# Allegro board Try it by yourself - YOUTUBE - iMX6Rex module - Memory simulation.brd (continued)
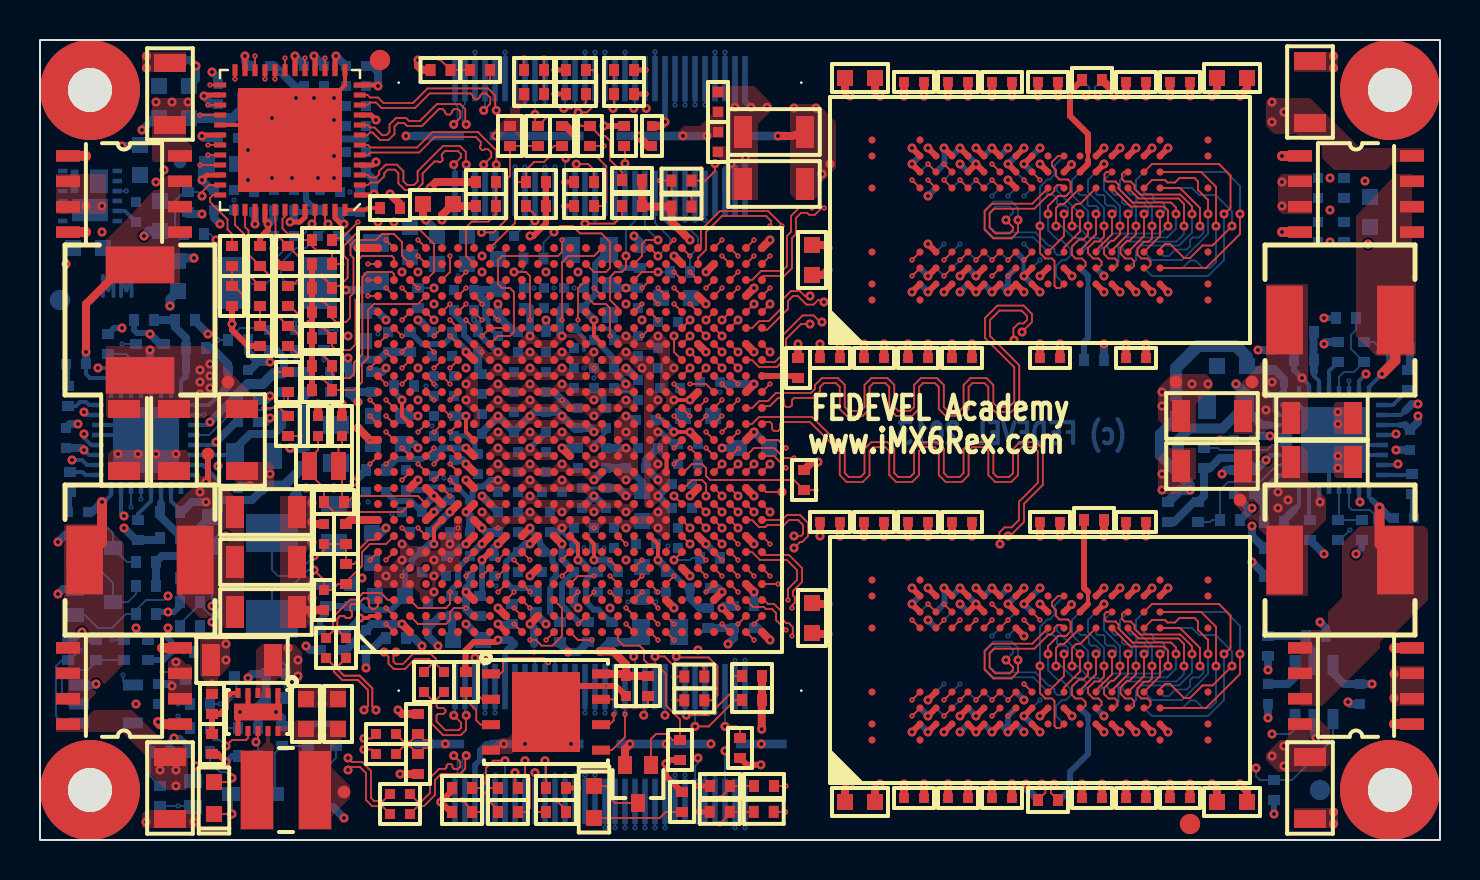
[diagram p0: board, top side]
## Routing (per net, layer and track width the routed paths; a pad name or vN(x,y) marks a point on that pad's centre or on a via; arc(x,y) is an arc through that point) (continued)
+3V3_ETH_AVDDH: length 9.1
  TOP w0.2: 19.15,31.7 19.05,31.8
  TOP w0.25: U8.47 14.75,31.1 15.05,30.8 v1(15.2,30.8) ; v1(16.7,32.3) 16.65,32.25 U8.1 ; 16.9,37.75 16.95,37.75 ; 16.9,37.75 v1(16.9,37.7) ; 16.9,37.75 U8.12
  TOP w0.4: FB7.2 19.15,31.15 v1(19.3,31)
  BOTTOM w0.4: v1(19.3,31) 19.85,30.45 C199.1 ; C190.1 C202.1 15,31 v1(15.2,30.8) ; v1(16.7,32.3) 16.7,33 C200.1 ; C201.1 16.6,38.7 16.9,38.4 v1(16.9,37.7)
+5V_LDO1: length 13.8
  BOTTOM w0.2: U11.7 8.15,18.75 8.9,18 C205.1
  BOTTOM w0.4: 8.9,17.08 8.97,17 10.6,17 11.1,17.5 ; C204.1 7.6,15.25 7.6,14.5 7.3,14.2 6.1,14.2 R132.2 R131.2
  BOTTOM w0.5: R116.2 12.22,17.73 11.32,17.73 11.1,17.5 ; C204.1 8.9,16.55 C205.1
+5V_LDO2: length 10.6
  BOTTOM w0.2: 62.02,22.3 61.72,22 61.72,21.48 61.95,21.25 U13.7
  BOTTOM w0.3: 62.02,22.3 62.2,22.48 62.2,22.7
  BOTTOM w0.4: 62.2,22.7 62.2,23.04 61.74,23.5 C224.1 60.55,23.5 C223.1
  BOTTOM w0.6: R140.2 56.8,23.6 57.9,24.7 59.8,24.7 60.35,24.15 C223.1
+5V_PVCC1: length 16.1
  L3 w0.5: v1(12.5,19.6) 10.47,19.6 10.2,19.33 8.4,19.33 7.85,19.87 3.56,19.87 3.19,19.5 v1(2.2,19.5)
  BOTTOM w0.2: v1(2.2,19.5) 2.45,19.25 U11.19
  BOTTOM w0.4: v1(2.2,19.5) 2.1,19.6 C206.1
  BOTTOM w0.5: v1(12.5,19.6) 13.1,19.6 R116.1 13.1,19.8 R117.2 13.1,22.1 R118.1
+5V_PVCC2: length 23.1
  L3 w0.5: v1(57.5,17.5) 59.7,17.5 60.4,18.2 60.4,19 61,19.6 64.16,19.6 64.54,19.98 65.87,19.98 67.1,21.2 v1(68.9,21.2)
  BOTTOM w0.2: U13.19 68,20.75 ; 56.85,21.05 56.9,21.1 R140.1
  BOTTOM w0.3: 68,20.75 68.25,20.75
  BOTTOM w0.4: 68.25,20.75 C225.1 68.9,20.9 v1(68.9,21.2)
  BOTTOM w0.5: R142.1 57,17.5 v1(57.5,17.5) 57.5,17.71 ; R141.2 57.5,17.71 ; 57.5,17.71 56,19.21 56,20.3 56.8,21.1 R140.1
+5V_USB_VBUS: length 7.4
  TOP w0.4: U1.E9 v1(19.7,17.2) U1.D10 ; v1(31.25,35.91) 31.04,35.7 C242.1
  BOTTOM w0.2: 31.25,35.81 v1(31.25,35.91)
  BOTTOM w0.28: v1(31.25,35.91) J1.18
  BOTTOM w0.3: C79.1 18.55,16.95 17.75,16.95 C82.1
  BOTTOM w0.4: v1(19.7,17.2) 19.1,16.6 C79.1
+5V_VCC1: length 16.5
  L3 w0.5: v1(8.5,20.9) 8,21.4 3.8,21.4 2.7,20.3 v1(2.2,20.3)
  BOTTOM w0.2: v1(8.5,20.9) 8.35,20.75 U11.3 ; U11.20 2.55,19.75 2.2,20.1 v1(2.2,20.3)
  BOTTOM w0.4: C207.1 9.6,22 v1(8.5,20.9) ; R127.2 12.2,24.1 11.8,24.5 R128.2
  BOTTOM w0.5: C207.1 9.9,22.3 10.4,22.8 11.14,22.8 11.67,23.33 12.12,23.33 R127.2 R118.2
+5V_VCC2: length 17.3
  L3 w0.5: v1(67.8,20.3) 67.79,20.31 65.49,18 62.3,18 v1(61.3,19)
  BOTTOM w0.2: U13.20 67.75,20.25 v1(67.8,20.3) ; U13.3 61.55,19.25 61.5,19.2
  BOTTOM w0.3: 61.5,19.2 v1(61.3,19)
  BOTTOM w0.4: v1(61.3,19) 60.8,18.5 C226.1 60.7,18.6 60.2,19.1 59,19.1 58.5,18.6 R151.2 58.2,17.2 R152.2 57.7,16.9 56.7,15.9 R142.2
+VDD_SNVS_CAP: length 1.6
  TOP w0.4: v1(21.3,16.4) U1.G9
  BOTTOM w0.4: C143.1 21.5,16.2 v1(21.3,16.4)
+VDDPU: length 4.5
  BOTTOM w0.25: C131.1 22.4,25.7 22.4,26 22.3,26.1 22.3,26.3
  BOTTOM w0.3: 22.85,27.5 22.95,27.5 23,27.55 ; C131.1 22.8,25.2 22.9,25.1 ; 22.15,27.05 22.2,27
  BOTTOM w0.4: 22.3,26.3 22.3,26.9 C132.1 22.85,27.5 C135.1
  vias: v1(22.9,23.6) v1(24.5,23.6) v1(26.1,23.6)
+VDDUSB: length 2.8
  TOP w0.4: v1(20.5,16.4) U1.F9
  BOTTOM w0.4: v1(17.3,15.6) 17.05,15.35 C80.1 ; C81.1 v1(20.5,16.4)
+VIN: length 22.2
  BOTTOM w0.2: U11.6 9.7,19.25 C208.1 ; U13.6 61.65,20.75 ; 56.9,19.7 56.8,19.6
  BOTTOM w0.28: J1.4 v1(34.75,36.63) ; J1.1 35.25,34.13 v1(35.27,34.16) ; J1.5 34.25,33.52 v1(34.55,33.82) 34.75,33.62 J1.3 ; J1.2 35.25,36.93 v1(35.55,36.63)
  BOTTOM w0.3: 61.65,20.75 61.45,20.75
  BOTTOM w0.4: C227.1 60.25,21.6 61.1,20.75 61.45,20.75 ; C208.1 9.75,19.55 10.5,20.3 11.7,20.3 12.1,20.7 R117.1
  BOTTOM w0.5: v1(59.8,22.8) 60.25,22.35 C227.1 60.2,21.65 59.12,20.58 57.47,20.58 56.9,20 R141.1
  vias: v1(5.8,36.9) v1(6,3.5) v1(6.6,36.9) v1(6.8,3.5) v1(6.8,2.7) v1(7.4,36.9) v1(8.9,18.7) v1(12.4,9.6) v1(12.9,9) v1(12.9,8.2) v1(36.35,36.63) v1(61.6,36.9) v1(61.6,35.9) v1(61.6,4.2) v1(62.2,36.4) v1(62.2,4.7) v1(62.2,3.7)
GND: length 261.3
  TOP w0.2: v1(14.7,37.1) 14.65,37.15 ; 14.65,37.15 15.25,37.75 U8.13 ; 14.65,37.15 U8.49 10.2,35.75 U8.29 ; v1(31.7,22) v1(32.5,22) ; U1.W12 31.32,19.18 31.32,18.43 U1.W11 ; v1(32.5,20.4) v1(31.7,20.4)
  TOP w0.25: U12.4 10.4,6.4 ; 10.4,6.4 10.4,6.2 ; 10.4,6.4 U12.11 v1(11.8,6.4) 11.9,6.4 U12.1 ; v1(10,6.4) 9.9,6.3 U12.6 9.9,5.35
  TOP w0.3: U4.D8 v1(46.8,33.8) U4.E8 ; U2.T9 v1(56.4,12.6) ; U4.M1 v1(53.2,27.4) ; v1(44.4,12.6) U2.B9 ; v1(46.8,6.2) U2.E2 ; U2.D8 v1(46.8,11.8) U2.E8 ; v1(47.6,12.6) U2.F9 ; U4.P1 v1(54.8,27.4) ; v1(49.2,34.6) U4.G9 ; v1(47.6,34.6) U4.F9 ; U4.T9 v1(56.4,34.6) ; v1(50,28.2) U4.J2 ; v1(50,6.2) U2.J2 ; U2.T1 v1(56.4,5.4) ; v1(43.6,12.6) U2.A9 ; v1(49.2,27.4) U4.G1 v1(48.4,27.4) ; C203.2 v2(28.8,7.7) v2(28.3,7.7) 26.6,7.7 U10.9 ; U4.T1 v1(56.4,27.4) ; U2.M1 v1(53.2,5.4) ; U2.D1 v1(46.8,5.4) U2.E1 ; v1(50,11.8) U2.J8 ; U2.M9 v1(53.2,12.6) ; v1(44.4,7) U2.B3 ; v1(48.4,5.4) U2.G1 ; U4.P9 v1(54.8,34.6) ; v1(46.8,28.2) U4.E2 ; v1(44.4,5.4) U2.B1 ; v1(48.4,11.8) U2.G8 ; v1(49.2,12.6) U2.G9 ; U4.D1 v1(46.8,27.4) U4.E1 ; v1(50,33.8) U4.J8 ; v1(43.6,34.6) U4.A9 ; U4.M9 v1(53.2,34.6) ; v1(48.4,33.8) U4.G8 ; v1(44.4,29.8) U4.B3 ; U2.P9 v1(54.8,12.6) ; U2.P1 v1(54.8,5.4) ; v1(44.4,27.4) U4.B1 ; v1(44.4,34.6) U4.B9
  TOP w0.4: U1.D8 v1(19.7,16.4) ; v1(45.4,37.2) C37.2 ; v1(33.3,28.4) U1.AB24 ; v1(17.9,6.5) 18.1,6.3 R16.1 ; v1(41.2,15.2) C24.2 ; U1.C10 v1(18.9,18) ; v1(15.9,29.6) U1.A25 ; v1(13.6,11.3) 13.6,11.5 ; 13.6,11.5 C84.2 ; 13.6,11.5 13.2,11.5 C215.2 ; v1(21.3,12.4) U1.G3 ; U1.A8 v1(15.9,16) 15.5,16 R37.2 ; U1.AA7 v1(33.3,14.8) ; v1(47.6,37.2) C34.2 ; U1.A13 v2(16.5,20) v1(15.9,20.6) ; v1(43.2,37.2) C36.2 ; v1(32.5,17.2) U1.AA10 ; v1(57.5,37.2) C35.2 ; C15.2 40.25,37.45 v1(40.5,37.2) ; v1(39,15.2) C26.2 ; v1(11.7,29.6) 11.7,29 12,28.7 R99.1 ; C4.2 v1(52.1,2.8) ; U1.AD19 v1(35.7,24.4) ; v1(53.2,15.2) R4.1 ; v1(32.5,22) U1.AA16 ; U1.AD4 v1(35.7,12.4) ; v1(29.9,35.2) 30.4,34.7 C242.2 ; U1.AD16 v1(35.7,22.8) ; U1.AA22 v1(33.3,26.8) ; C9.2 v1(50,24.8) ; v1(18,3.3) R17.1 ; U1.AD10 v1(35.7,17.2) ; U1.AA13 v1(32.5,20.4) ; v1(60,37.2) 60.35,37.55 C16.2 ; U1.AE25 v1(36.5,30) ; U1.AD13 v1(35.7,20.4) ; v1(39.4,29.6) 39.25,29.75 C17.2 ; v1(13.6,15.9) 13.7,15.8 C83.2 ; v1(24.5,13.2) U1.L5 ; v1(22.9,11.6) U1.J2 ; v1(17.5,32.3) 18,31.8 R84.2 ; R143.1 v2(21.3,32.9) 19.8,32.9 v1(19.5,32.6) ; v1(31.7,29.2) U1.Y24 ; C85.2 v1(15.1,21.8) ; U1.Y5 v1(32.5,13.2) ; C39.2 v1(39,24.8) ; R8.1 53.7,37.4 v1(53.7,37.2) ; v1(55.3,15.2) C22.2 ; C30.2 v1(55.3,2.8) ; C14.2 40.25,2.55 v1(40.5,2.8) ; C13.2 60.35,2.45 v1(60,2.8) ; C21.2 v1(57.5,2.8) ; C32.2 v1(55.3,24.8) ; v1(21.3,18) U1.G10 ; U1.AE1 v1(36.5,10) ; C33.2 v1(45.6,24.8) ; R144.1 26.3,35.7 v1(26.8,35.2) ; U1.AD22 v1(35.7,27.6) ; C28.2 v1(45.4,2.8) ; C27.2 v1(44.2,2.8) ; U1.W3 v1(31.7,11.6) ; v1(50,15.2) C3.2 ; U1.AA19 v1(33.3,24.4) ; U1.AB3 v1(34.1,12.4) ; C2.2 37.6,35.2 v1(36.9,35.2) ; v1(49.9,37.2) C8.2 ; C40.2 v1(41.2,24.8) ; v1(45.6,15.2) C23.2 ; C29.2 v1(47.6,2.8) ; v1(29.5,4.8) 29.25,4.55 Q2.2 ; v1(18.1,10.8) U1.C1 ; v1(43.4,15.2) C25.2 ; C86.2 v1(13.9,21.8) ; v1(24.5,10.8) U1.L2 ; R6.1 38.6,18.9 v1(38.9,18.9) ; v1(39.4,10.3) 38.65,10.3 C12.2 ; C31.2 v1(43.4,24.8) ; v1(55.3,37.2) C38.2 ; R10.2 v1(37.9,24.8) ; U1.AD7 v1(35.7,14.8)
  BOTTOM w0.2: U13.8 62.95,21.75 U13.33 ; 5.05,20.25 4.55,20.75 U11.22 ; 5.05,20.25 U11.21 ; 5.05,20.25 U11.33 ; U13.33 64.45,19.75 U13.29 ; U13.33 64.95,19.75 ; U11.29 5.55,20.25 U11.33 ; U11.8 7.05,18.25 U11.33 ; U13.22 65.45,19.25 64.95,19.75 ; 64.95,19.75 U13.21 ; v1(26.1,15.6) 26.1,15.4 26.7,14.8 C107.2
  BOTTOM w0.22: C119.2 28.7,25.3 28.43,25.57 v6(27.2,25.57) 26.73,25.57 ; U9.2 2.45,31.45 U9.13 ; 27.2,24.5 27.2,25.1 26.73,25.57 ; C130.2 26.73,25.57
  BOTTOM w0.28: J2.55 v6(21.75,3.24) 21.75,3.75 21.99,3.99 21.99,4.49 22.3,4.8 J2.63 ; J2.56 v1(21.75,9.11)
  BOTTOM w0.3: U2.T9 v1(56.4,12.6) ; v1(48.4,11.8) U2.G9 ; C113.2 27.77,22.6 28.17,22.2 28.17,21.73 C97.2 ; v1(44.4,11) U3.B3 ; U5.F9 v1(48.4,27.4) 48.4,28.2 U5.G8 ; U5.A9 v1(44.4,27.4) U4.B1 ; U3.F9 v1(48.4,5.4) 48.4,6.2 U3.G8 ; U2.M1 v1(53.2,5.4) ; v1(50,11.8) U2.J8 ; U2.T1 v1(56.4,5.4) ; U3.D8 v1(46.8,6.2) U2.E2 ; U5.D8 v1(46.8,28.2) U4.E2 ; U3.E1 v1(47.6,12.6) ; v1(46.8,11.8) U2.E8 U3.D1 ; U2.P1 v1(54.8,5.4) ; v1(31.7,20.4) 31.1,21 C117.2 ; v1(50,33.8) U4.J8 ; v1(24.5,19.6) C94.2 ; U4.M9 v1(53.2,34.6) ; U4.E8 v1(46.8,33.8) U5.D1 ; U2.B1 v1(44.4,5.4) U3.A9 ; U4.M1 v1(53.2,27.4) ; v1(5.5,25.3) 5.45,25.35 4.85,25.35 4.7,25.5 R136.1 ; v1(48.4,33.8) U4.G9 ; U2.M9 v1(53.2,12.6) ; v1(22.9,24.4) 22.85,24.4 21.9,25.35 C122.2 21.9,25.8 v6(21.7,26) C125.2 ; U4.P1 v1(54.8,27.4) ; v1(50,28.2) U4.J2 ; U2.G1 v1(49.2,5.4) ; U5.E1 v1(47.6,34.6) ; v1(50,6.2) U2.J2 ; U4.T9 v1(56.4,34.6) ; U2.P9 v1(54.8,12.6) ; v1(49.2,27.4) U4.G1 ; v1(44.4,12.6) U2.B9 ; v1(44.4,32.2) U5.B3 ; v1(44.4,34.6) U4.B9 ; U4.P9 v1(54.8,34.6) ; U4.T1 v1(56.4,27.4)
  BOTTOM w0.35: v1(33.3,14.8) R7.1
  BOTTOM w0.4: C133.2 v1(25.3,26) ; v1(11.7,29.6) C176.2 ; C238.2 60.4,16.6 v1(60.6,16.6) R155.1 ; v1(45.4,37.2) C37.2 ; 62.5,25.4 C224.2 v1(60.9,24.5) ; 62.5,25.4 R150.1 ; 62.5,25.4 v6(62.2,25.1) ; C116.2 v1(27.7,17.2) C115.2 ; C4.2 v1(52.1,2.8) ; v1(24.5,10.8) 24.7,10.6 24.7,9.8 ; C245.2 35.9,10.6 v1(36.5,10) ; C226.2 59.3,18.5 v1(59.1,18.3) ; C249.2 11.73,38.7 ; 11.73,38.7 v6(12,38.4) ; 11.73,38.7 12.8,37.63 ; v1(8.6,38.4) 8.9,38.1 C184.2 ; 10.9,23.9 10.4,24.4 ; 10.9,23.9 v1(11.5,23.9) ; 10.9,23.9 10.5,23.5 C219.2 ; 10.4,24.4 v6(10.5,24.3) ; 10.4,24.4 R133.1 ; v1(45.6,15.2) C23.2 ; C243.2 33.9,12.6 v1(34.1,12.4) ; v1(8.1,31.3) 7.4,31.3 R101.1 ; R58.1 12.1,6.1 v1(11.8,6.4) ; C206.2 1.5,20.8 v1(1.9,20.8) ; C7.2 v1(35.7,12.4) ; C33.2 v1(45.6,24.8) ; Q8.2 1.15,12.55 v1(0.9,12.3) ; C39.2 v1(39,24.8) ; C178.2 4.95,34.7 v1(4.1,34.7) ; v1(18.1,10.8) 16.6,10.8 C244.2 v6(15.8,10) 15.3,9.5 R15.1 ; R149.1 64.3,24.9 v1(64.2,24.8) ; v1(13.6,12.8) 13.7,12.7 R79.1 ; C207.2 11.3,22 v1(11.5,22.2) ; v1(9.3,15.2) 9.05,15.2 C204.2 ; C9.2 v1(50,24.8) ; 12.8,37.63 v1(12.8,37.1) ; 12.8,37.63 C248.2 ; C172.2 36.45,19.65 v1(35.7,20.4) ; U7.3 2.75,7.75 v1(2.8,7.8) ; C27.2 v1(44.2,2.8) ; v1(10.5,17.71) 10.01,17.71 C205.2 ; R9.1 v1(53.2,24.8) ; C95.2 U1.N15 v6(26.1,22) 25.7,22.4 C124.2 ; v1(11.6,36.1) 12.3,35.4 C186.2 12.45,35.4 ; R124.2 6,24.8 v1(5.5,25.3) ; C152.2 19.56,25.4 18.96,26 v1(18.9,26) ; C218.2 11.3,20.9 v1(11.5,21.1) ; C175.2 15.3,30.2 v1(15.9,29.6) 16.15,29.85 C148.2 ; v1(67.8,19.5) C225.2 ; U6.2 63.7,5.2 v1(63.8,5.1) ; v1(26.1,15.6) 25.9,15.4 C90.2 ; v1(7.8,3.7) 7.8,3 7.75,2.95 Q1.2 ; C31.2 v1(43.4,24.8) ; C105.2 v1(29.3,19.6) ; v1(29.3,23.6) C114.2 ; v1(47.6,37.2) C34.2 ; v1(39,15.2) C26.2 ; C76.2 26.7,11.8 v1(26.9,11.6) ; v1(19.7,16.4) 19.74,16.4 20.34,17 C139.1 ; Q9.2 v6(14.3,1.65) 14.65,1.65 v1(15.2,1.1) ; R148.2 v1(64.2,14.3) ; v1(6.6,7.7) 6.5,7.8 C89.2 ; C29.2 v1(47.6,2.8) ; C32.2 v1(55.3,24.8) ; C171.2 34.1,22.8 v1(35.7,22.8) ; v1(57.5,37.2) C35.2 ; v1(61.4,6.1) C88.2 ; v1(30.9,18) C102.2 30.3,19 v6(30.4,19.1) C112.2 ; v1(50,15.2) C3.2 ; v1(60.6,13.9) 61.2,13.3 R158.1 ; R67.1 64.3,10.6 v1(64,10.9) ; v1(41.2,15.2) C24.2 ; v1(49.9,37.2) C8.2 ; v1(20.5,14.8) C143.2 ; C87.2 65.5,6.8 v1(65.4,6.9) ; v1(22.9,26.8) C131.2 v6(23.4,25.7) 23.7,25.4 C134.2 ; C61.2 21.5,12.77 21.3,12.57 v1(21.3,12.4) v6(21.3,11.54) 21.64,11.2 R61.1 ; C40.2 v1(41.2,24.8) ; v1(49.3,2.8) 49.3,2.6 R5.1 ; v1(59,20) C237.2 ; C21.2 v1(57.5,2.8) ; v1(55.3,37.2) C38.2 ; v1(4.2,15.6) 4.8,15 R125.1 5.9,15 R126.1 ; v1(43.2,37.2) C36.2 ; v1(0.9,14.9) 1.25,15.25 Q5.2 ; C30.2 v1(55.3,2.8) ; C129.2 28.65,27.6 v1(29.3,27.6) C160.2 ; v1(55.3,15.2) C22.2 ; v1(18.3,35.2) J1.64 ; v1(43.4,15.2) C25.2 ; C28.2 v1(45.4,2.8)
  vias: v1(2.3,31.7) v1(3.1,31.7) v1(3.1,30.4) v1(3.9,19.3) v1(4.9,19.3) v1(5.32,39.2) v1(5.32,38.6) v1(5.3,0.9) v1(5.8,19.3) v1(6.8,19.3) v1(6.8,8.9) v1(7.7,0.9) v1(9.3,9.8) v1(9.3,9) v1(10.4,34.5) v1(10.4,33) v1(11.5,18.3) v1(11.6,33.1) v1(12.6,33.1) v1(13.6,16.85) v1(13.6,14.9) v1(13.6,12.1) v1(13.7,37.1) v1(13.9,33.1) v1(14.1,7.4) v1(14.1,6.8) v1(14.7,36) v1(14.7,34.2) v1(14.7,33.1) v1(15.4,25.2) v1(17.3,13.2) v1(18.1,14.8) v1(18.1,14) v1(18.9,23.6) v1(18.9,22) v1(19.7,26.8) v1(19.7,14) v1(19.7,13.2) v1(19.7,12.4) v1(20.26,4.81) v1(21.3,23.6) v1(22.1,29.2) v1(22.1,28.4) v1(22.1,16.4) v1(22.8,35.2) v1(22.9,22) v1(22.9,19.6) v1(23.19,4.81) v1(24.2,35.2) v1(24.25,4.81) v1(24.5,24.4) v1(24.5,22) v1(24.5,18) v1(24.5,16.4) v1(25.3,28.4) v1(26.1,24.4) v1(26.1,18) v1(26.55,4.81) v1(26.9,28.4) v1(27.7,24.4) v1(27.7,21.2) v1(27.7,18.8) v1(28.5,11.6) v1(29.3,25.2) v1(29.3,22) v1(29.3,18) v1(29.3,15.6) v1(29.3,14) v1(30.9,25.2) v1(30.9,16.4) v1(30.9,15.6) v1(31.3,4.8) v1(31.7,23.6) v1(32.15,35.21) v1(32.9,9.5) v1(33.35,35.21) v1(33.55,4.81) v1(36.06,4.8) v1(37.7,36.6) v1(38.8,36.6) v1(39.1,33.3) v1(39.5,33.8) v1(56.1,22.4) v1(56.1,21.7) v1(56.1,18.3) v1(56.1,17.5) v1(57.6,22.8) v1(58.4,22.8) v1(62.1,32.9) v1(62.1,31.7) v1(64.5,29.9) v1(64.67,39.2) v1(64.67,38.6) v1(64.67,1.4) v1(64.67,0.8) v1(64.9,21.4) v1(64.9,20.8) v1(64.9,19.2) v1(64.9,18.6) v1(66.4,29.8) v1(67.7,8.3) v1(67.7,7.1) v2(8.6,7.9) v2(18.1,13.2) v2(20.5,14) v2(20.9,15.6) v2(22.1,24.4) v2(22.9,15.6) v2(23.9,36.7) v2(27.7,23.6) v2(27.7,15.6) v2(31,19.6) v6(8.4,10.1) v6(9.7,32) v6(14.5,22.9) v6(15.5,32.4) v6(15.8,37.7) v6(16.4,16.9) v6(16.9,25.3) v6(17.6,16.3) v6(19.3,22.7) v6(19.6,20.7) v6(19.8,22.7) v6(20.2,18.1) v6(20.9,28.2) v6(22.7,29.7) v6(22.8,12.7) v6(24.7,27.6) v6(25.7,27.6) v6(26.7,27.6) v6(27.2,23.6) v6(27.2,14.6) v6(27.7,23.1) v6(28.2,14.6) v6(29.4,12.4) v6(29.4,11.9) v6(30.8,12.4) v6(30.8,11.9) v6(31.4,14.7) v6(32.1,26.4) v6(32.8,18.3) v6(32.9,19.3) v6(34,22.4)
+DDR_VREF: length 169
  TOP w0.3: v1(34.1,11.6) U1.AC2 ; U2.M8 v1(53.2,11.8) ; U4.M8 v1(53.2,33.8) ; U4.H1 v1(50,27.4) ; U2.H1 v1(50,5.4)
  TOP w0.4: C4.1 v1(53.1,2.8) ; v1(50.9,37.2) C8.1 ; C9.1 v1(51,24.8) ; v1(51,15.2) C3.1
  L5 (PWR) w0.5: 40.6,16.1 40.6,14.5
  L5 (PWR) w0.6: 53.4,3.1 v1(53.1,2.8)
  L5 (PWR) w0.8: 50.2,36.05 50.2,35.8 51.05,34.95 51.82,34.95 52.97,33.8 v1(53.2,33.8) ; 50.2,36.05 50.62,36.48 50.62,36.92 v1(50.9,37.2) 51.8,36.3 56.7,36.3 60.7,32.3 61.6,32.3 ; 50.2,36.05 50,35.85 v1(50,34.6) ; 61.6,31 61.3,31 55.82,25.53 52.72,25.53 52.1,24.9 51.1,24.9 v1(51,24.8) 51,24.95 50.6,25.35 50.6,26.2 ; 52.47,4.23 51.3,5.4 v1(50,5.4) ; 52.47,4.23 52.47,5.7 52.97,6.2 v1(53.2,6.2) ; 52.47,4.23 52.47,3.63 53.1,3 v1(53.1,2.8) ; 65.22,29.8 65.22,28.38 63.47,26.63 63.47,24.5 65.7,22.27 65.7,17.9 64.92,17.13 64.92,13.33 62.3,10.7 62.3,8.3 58.1,4.1 54.4,4.1 53.4,3.1 ; 63.3,30.8 62.82,30.33 62.82,29.83 56.2,23.2 44,23.2 40.6,19.8 40.6,16.1 ; v1(50,12.6) 51,13.6 51,13.77 ; 50.6,26.2 50.6,26.8 v1(50,27.4) ; 50.6,26.2 50.63,26.2 52.63,28.2 v1(53.2,28.2) ; v1(53.2,11.8) 52.97,11.8 51,13.77 ; 63.6,29.9 63.6,28.6 62.32,27.33 62.32,21.3 63.2,20.43 63.2,16 62,14.8 58.9,14.8 57.5,16.2 52,16.2 v1(51,15.2) 51,13.77 ; v1(34.1,11.6) 38,11.6 40.6,14.2 40.6,14.5
  BOTTOM w0.3: U5.M8 v1(53.2,28.2) ; U3.H1 v1(50,12.6) ; U5.H1 v1(50,34.6) ; U3.M8 v1(53.2,6.2)
  BOTTOM w0.4: C4.1 v1(53.1,2.8) ; C7.1 34.2,11.7 v1(34.1,11.6) ; v1(50.9,37.2) C8.1 ; C9.1 v1(51,24.8) ; v1(51,15.2) C3.1
  vias: v1(64.5,31.5)
+HDMI_VP: length 4.8
  TOP w0.4: v1(24.5,14.8) U1.L7
  BOTTOM w0.3: R23.2 24.6,12.6 23.6,12.6 23.3,12.9 23.3,13.9 23.8,14.4 C75.1
  BOTTOM w0.4: v1(24.5,14.8) 24.3,14.8 C75.1
+HDMI_VPH: length 5.8
  TOP w0.4: U1.M7 v1(26.1,14.8)
  BOTTOM w0.3: C76.1 26.1,12.8 26.1,11.73 26.93,10.9 R27.2
  BOTTOM w0.35: v1(26.1,14.8) 26.1,14.03 26.7,13.43 C76.1
+LVDS_2V5: length 5.3
  TOP w0.2: v1(30.9,14) 30.9,14.8 U1.V7
  BOTTOM w0.3: 31.4,13.4 31.56,13.4 32.36,12.6 C243.1
  BOTTOM w0.4: R34.2 33,11.6 32.5,12.1 C243.1 ; v1(30.9,14) 31.4,13.5 31.4,13.4 C77.1
+NVCC_CSI: length 6
  TOP w0.2: U1.N7 26.9,14.8 v1(26.9,14)
  BOTTOM w0.3: 27.7,13.4 27.3,13 27.3,11.9 27.69,11.51 27.91,11.51 28.53,10.9 R76.1
  BOTTOM w0.35: C145.1 27.59,13.4 26.99,14 v1(26.9,14)
+NVCC_ENET: length 8.2
  TOP w0.2: 27.7,26.1 v1(27.7,26) 27.7,25.2 U1.R19
  BOTTOM w0.3: 27.2,26.5 27.1,26.6 27.75,27.25 27.75,28.8 28.35,29.4 C156.1 28.45,29.23 29.08,28.6 29.88,28.6 ; 29.88,28.6 29.98,28.7 30.1,28.7 ; 29.88,28.6 R74.1
  BOTTOM w0.4: C155.1 27.2,26.5 v1(27.7,26)
+NVCC_MIPI: length 6.4
  TOP w0.4: U1.K7 v1(24.5,15.6)
  BOTTOM w0.3: R78.1 25.5,11.4 25.5,12.58 25.62,12.7 25.62,13 25.8,13.17 25.8,13.73 25.62,13.9 25.62,14.17 25.1,14.7 ; v1(24.5,15.6) 24.5,15.47 25,14.97 25,14.8 25.1,14.7 ; C149.1 25.1,14.7
+NVCC_RGMII: length 4.4
  TOP w0.4: v1(21.3,24.4) U1.G18
  BOTTOM w0.3: C152.1 20.6,25.2 ; 20.6,25.2 20.2,24.8 19.1,24.8 R80.1 ; 20.6,25.2 21.3,24.5 v1(21.3,24.4)
+PCIE_VP: length 3.8
  TOP w0.4: v1(22.1,14.8) U1.H7
  BOTTOM w0.3: C61.1 20.9,13.6 20.9,12.84 20.6,12.54 R13.2
  BOTTOM w0.4: v1(22.1,14.8) C61.1
+PCIE_VPH: length 2.8
  TOP w0.4: v1(21.3,14.8) U1.G7
  BOTTOM w0.3: v1(21.3,14.8) 21.17,14.8 20.57,14.2 C64.1
  BOTTOM w0.4: v1(19.1,9.7) 18.7,10.1 R14.2
+PCIE_VPTX: length 2.6
  TOP w0.4: U1.G8 v1(22.1,15.6)
  BOTTOM w0.4: FB1.2 22.1,10 v1(21.3,10.8) ; C62.1 22.3,15.4 v1(22.1,15.6)
+SATA_VP: length 2.7
  TOP w0.2: U1.G13 21.3,20.4 v1(21.3,21.2)
  BOTTOM w0.4: C68.1 v1(21.3,21.2) ; v1(17.3,23.6) 17.1,23.4 R18.2
+SATA_VPH: length 5
  TOP w0.4: v1(21.3,19.6) U1.G12
  BOTTOM w0.3: C73.1 19.25,19.2 19.1,19.05 17.85,19.05 R19.2
  BOTTOM w0.35: v1(21.3,19.6) 20.1,19.6 C73.1
+VREF1_2V_1V5: length 3.6
  BOTTOM w0.2: U13.1 61.95,18.25 61.68,17.98 ; 61,17.3 61,17
  BOTTOM w0.3: 61.68,17.98 61.4,17.7
  BOTTOM w0.4: R135.2 61.2,16.8 61,17 C238.1 ; 61.4,17.7 61,17.3
+VREF1_2V_1V375: length 4.6
  BOTTOM w0.2: U11.1 8.45,21.75 9.1,22.4
  BOTTOM w0.3: 9.22,22.52 9.1,22.4
  BOTTOM w0.4: 9.22,22.52 9.4,22.7 C219.1 9.4,23.8 8.6,24.6 R120.1
+VREF1_3V3_1V5: length 9.5
  L5 (PWR) w0.6: v1(60.6,15.7) 59.9,16.4 59.9,18.6 v1(61.5,20.2)
  BOTTOM w0.2: U13.5 61.55,20.25 v1(61.5,20.2) 61.5,20.25 60.85,20.25 60.7,20.1 C237.1
  BOTTOM w0.4: v1(61.5,20.2) 60.9,20.2 C237.1 ; R134.2 60.6,15.2 v1(60.6,15.7)
+VREF1_3V3_1V375: length 10.3
  L10 w0.5: v1(8.8,19.9) 8.4,19.9 7.4,20.9 7.4,24.3 v1(8.4,25.3)
  BOTTOM w0.2: U11.5 8.65,19.75 v1(8.8,19.9)
  BOTTOM w0.4: v1(8.4,25.3) 7.75,25.95 R119.2 ; v1(8.8,19.9) 9.8,20.9 C218.1
AUD3_CLK: length 4.6
  TOP w0.093: v1(30.75,9.18) 31.22,9.18 31.59,8.81 32.99,8.81 33.21,8.59 R160.2
  BOTTOM w0.101: J2.20 v1(30.75,9.18)
AUD3_CLK_R: length 10.8
  TOP w0.093: v2(31.71,8.17) R160.1 ; v2(28.5,14) U1.T5
  L2 w0.1: v2(31.71,8.17) v3(32.11,8.17) ; v3(28.2,13.7) v2(28.5,14)
  L3 w0.08: v3(28.2,13.7) 27.7,13.2 27.7,11.7 28.22,11.17 28.22,10.74 28.8,10.17 29.23,10.17 30.06,9.34 30.06,8.79 30.95,7.9 31.84,7.9 v3(32.11,8.17)
AUD3_RXD: length 11.3
  TOP w0.093: U1.N3 v2(26.9,12.4)
  L2 w0.1: v2(26.9,12.4) v3(26.9,12.8)
  L3 w0.08: v3(26.9,12.8) 26.9,12.13 27.27,11.76 27.27,11.17 26.9,10.8 26.9,10.4 27.42,9.88 27.42,9.19 27.77,8.84 28.55,8.84 28.99,8.41 29.3,8.41 30.19,7.52 v1(30.19,6.24)
  BOTTOM w0.093: v1(30.19,6.24) 30.25,6.31 J2.22
AUD3_TXC: length 6
  TOP w0.093: R72.2 33.62,6.98 33.87,7.24 33.87,8.68 33.43,9.13 31.87,9.13 v1(31.81,9.18)
  BOTTOM w0.101: J2.16 31.75,9.12 v1(31.81,9.18)
AUD3_TXC_R: length 8.3
  TOP w0.093: U1.N1 26.9,10 v2(27.6,10) ; v2(31.71,6.98) R72.1
  L2 w0.1: v2(31.71,6.98) v3(32.11,6.98) ; v2(27.6,10) v3(27.9,10.3)
  L3 w0.08: v3(32.11,6.98) 31.39,6.98 29.57,8.81 29.16,8.81 27.9,10.06 v3(27.9,10.3)
AUD3_TXD: length 9
  TOP w0.093: v2(26.91,10.8) 27.31,11.2 U1.P2
  L2 w0.1: v2(26.91,10.8) v3(27.21,10.5)
  L3 w0.08: v3(27.21,10.5) 27.62,10.09 27.62,9.27 27.86,9.04 28.63,9.04 29.07,8.61 29.43,8.61 30.45,7.59 30.45,7.23 31.25,6.43 v1(31.25,6.24)
  BOTTOM w0.093: v1(31.25,6.24) J2.18
AUD3_TXFS: length 8.6
  TOP w0.093: v2(27.7,13.2) 26.9,13.2 U1.N4
  L2 w0.1: v3(27.3,13.2) v2(27.7,13.2)
  L3 w0.08: v1(29.69,9.18) 29.16,9.18 28.2,10.14 28.2,10.42 27.5,11.12 27.5,11.81 27.3,12.01 v3(27.3,13.2)
  BOTTOM w0.093: J2.24 29.75,9.12 v1(29.69,9.18)
BOARD_VARIANT_0: length 5.4
  TOP w0.093: U1.G24 21.3,29.2 21.3,30.63 21.58,30.92 22.41,30.92 22.8,31.3 R111.1 R143.2
BOARD_VARIANT_1: length 7.4
  TOP w0.093: U1.H25 23.75,30.85 23.75,32.75 23.9,32.9 R137.1 24.3,33.5 24.7,33.9 25.2,33.9 25.5,34.2 25.5,34.5 25.7,34.7 R144.2
BOOT_MODE: length 57.8
  L10 w0.08: v5(13.25,2.4) 13.05,2.2 11.2,2.2 10.9,2.5 9.2,2.5 8.58,3.12 8.58,3.92 8.4,4.1 8.4,6.3 8,6.7 8,10 7.5,10.5 7.5,12.2 7.1,12.6 7.1,14.6 7.3,14.8 7.3,16.8 7.6,17.1 7.6,19.5 6.6,20.5 6.6,23.8 6.75,23.95 6.75,24.62 8.4,26.27 8.9,26.27 12.63,30 15.4,30 17.07,31.68 17.07,33.48 17.17,33.57 17.17,34.68 21.82,39.33 23.31,39.33 v5(23.55,39.08)
  L11 w0.1: v6(23.25,39.38) v5(23.55,39.08) ; v5(13.25,2.4) v6(13.65,2.4)
  BOTTOM w0.093: R165.1 14.8,4.1 14.5,3.8 14,3.8 13.65,3.45 Q9.1 v6(13.65,2.4) ; J1.50 v6(23.25,39.38)
BOOT_MODE0: length 39.1
  TOP w0.093: v2(18.1,19.6) U1.C12
  L2 w0.1: v2(18.1,19.6) v3(18.4,19.3)
  L3 w0.08: v4(10.3,1.4) 10.02,1.68 8.07,1.68 7.7,1.3 6.6,1.3 6.4,1.5 6.4,4.17 7.22,5 7.22,10.31 6.53,11 6.27,11 6,11.27 6,13.6 7.93,15.53 8.26,15.53 9.46,16.73 11.61,16.73 12.25,17.37 12.25,17.83 13.32,18.9 15.8,18.9 16.3,19.4 18.3,19.4 v3(18.4,19.3)
  L10 w0.08: v4(10.3,1.4) v5(10.75,1.4)
  L11 w0.1: v5(10.75,1.4) v6(11.05,1.7)
  BOTTOM w0.093: v6(11.05,1.7) 11.65,2.3 Q9.3 11.75,4.35 R58.2 R104.1
BOOT_MODE1: length 26.1
  TOP w0.093: v2(20.5,19.6) U1.F12
  L2 w0.1: v2(20.5,19.6) v3(20.8,19.9)
  L3 w0.08: v1(8.6,10.9) 7.9,10.9 7.4,11.4 7.4,13.83 8.39,14.83 9.46,14.83 10.43,15.8 11.83,15.8 13.26,17.23 17.46,17.23 18.32,18.09 18.32,18.24 18.69,18.6 20.6,18.6 20.8,18.4 21.6,18.4 21.8,18.6 21.8,18.9 21.5,19.2 21.17,19.2 20.8,19.57 v3(20.8,19.9)
  BOTTOM w0.093: v1(8.6,10.9) 8.6,11.17 8,11.77 8,11.8 ; 8,11.8 7,10.8 R57.2 ; 8,11.8 R103.1
CFF: length 1.2
  BOTTOM w0.2: C179.2 4.25,31.45 U9.11
CLK1_C_N: length 15.9
  TOP w0.09: v2(18.1,15.6) U1.C7 ; v1(16.2,4.53) 16.57,4.53 C66.1
  L2 w0.1: v2(18.1,15.6) v3(18.4,15.9)
  L3 w0.085: v3(18.4,15.9) v4(18.7,15.6)
  L10 w0.085: v1(16.2,4.53) 15.57,4.53 15.3,4.8 15.3,5.62 15.51,5.82 15.51,7 17.28,8.78 17.8,8.78 18.3,9.28 18.3,9.82 18.47,9.98 18.47,11.66 18.97,12.17 18.97,15.33 v4(18.7,15.6)
CLK1_C_P: length 15.5
  TOP w0.09: C67.1 16.57,5.08 v1(16.2,5.08) ; v2(18.9,15.6) U1.D7
  L2 w0.1: v2(18.9,15.6) v3(19.2,15.9)
  L3 w0.085: v3(19.2,15.9) v4(19.5,15.6)
  L10 w0.085: v1(16.2,5.08) 16.1,5.08 15.83,4.81 15.69,4.81 15.58,4.92 15.58,5.5 15.79,5.71 15.79,6.89 17.4,8.5 17.92,8.5 18.58,9.16 18.58,9.7 18.75,9.87 18.75,11.55 19.25,12.05 19.25,15.35 v4(19.5,15.6)
CLK1_N: length 11.1
  TOP w0.09: C66.2 18.17,4.68 18.52,4.68 R17.2 19.2,4.6 v2(19.5,4.6)
  L2 w0.1: v3(19.1,4.6) v2(19.5,4.6)
  L3 w0.085: v4(18.6,4.53) 18.67,4.6 v3(19.1,4.6)
  L10 w0.085: v5(23.85,5.96) 23.87,5.94 23.87,5.47 23.57,5.17 19.95,5.17 19.43,4.65 18.72,4.65 v4(18.6,4.53)
  L11 w0.1: v5(23.85,5.96) v6(24.25,6.36)
  BOTTOM w0.09: v6(24.25,6.36) J2.46
CLK1_P: length 11.1
  TOP w0.09: v2(19.5,5) 19.2,5 R16.2 18.52,4.93 18.17,4.93 C67.2
  L2 w0.1: v3(19.1,5) v2(19.5,5)
  L3 w0.085: v4(18.6,5.13) 18.72,5 v3(19.1,5)
  L10 w0.085: v5(23.35,5.96) 23.35,5.93 23.59,5.69 23.59,5.59 23.45,5.45 23.25,5.45 23.2,5.5 23.2,5.6 23.1,5.7 23,5.7 22.9,5.6 22.9,5.5 22.85,5.45 19.84,5.45 19.31,4.93 18.85,4.93 18.65,5.13 v4(18.6,5.13)
  L11 w0.1: v5(23.35,5.96) v6(23.75,6.36)
  BOTTOM w0.09: J2.48 v6(23.75,6.36)
CPU_XTALI: length 10
  TOP w0.093: v1(13.7,14.2) 13.9,14.2 14.2,14.5 C83.1 R37.1 R53.1 15.7,13.8 15.9,14 15.9,14.48 16.42,15 16.7,15 U1.A7
  BOTTOM w0.093: v1(13.7,14.2) 12.7,13.2 11.9,13.2 11.6,13.5 Y1.1
CPU_XTALO: length 10.4
  TOP w0.093: v1(13.7,13.5) 14.2,13 14.2,12.6 ; 14.3,12.6 14.2,12.6 ; 14.2,12.6 C84.1 14.6,12.5 14.9,12.8 R53.2 15.3,12.9 16.1,13.7 16.1,14.4 16.5,14.8 17.3,14.8 U1.B7
  BOTTOM w0.093: v1(13.7,13.5) 13.4,13.5 12.7,12.8 11.9,12.8 11.6,12.5 Y1.2
CSPI2_CLK: length 5.3
  BOTTOM w0.093: R159.2 32.5,29.2 32.9,29.6 32.9,30.13 32.53,30.5 31.7,30.5 31.25,30.96 J1.17
CSPI2_CLK_R: length 2
  TOP w0.093: v1(30.9,28.4) 30.1,28.4 U1.U23
  BOTTOM w0.093: v1(30.9,28.4) R159.1
CSPI2_CS0: length 4.3
  TOP w0.093: U1.V25 v1(30.9,29.2)
  BOTTOM w0.093: v1(30.9,29.2) 31.5,29.8 31.5,30.1 30.75,30.85 J1.19
CSPI2_MISO: length 4.6
  TOP w0.093: U1.U24 30.1,29.2 30.1,29.8 30.3,30 v1(30.9,30)
  BOTTOM w0.093: v1(30.9,30) 30.25,30.65 J1.21
CSPI2_MOSI: length 6.8
  TOP w0.093: U1.T21 28.9,26.6 28.5,27 28.5,28.15 28.75,28.4 29.1,28.4 29.3,28.6 v1(29.3,29.2)
  BOTTOM w0.093: J1.23 29.75,30.95 29.3,30.51 v1(29.3,29.2)
CSPI3_CLK: length 29.7
  TOP w0.093: v1(23.7,28.4) 24.3,28.4 24.5,28.2 v2(24.5,26) ; v2(28.69,6.28) 28.69,5.99 28.46,5.77 U10.6
  L2 w0.1: v2(24.5,26) v3(24.8,25.7) ; v2(28.69,6.28) v3(28.69,6.68)
  L3 w0.08: v3(28.69,6.68) 28.42,6.68 28.12,6.98 28.12,7.35 27.91,7.57 27.03,7.57 26.06,8.54 25.17,8.54 23.91,9.8 23.91,10.49 24.12,10.7 24.12,12.98 23.42,13.68 23.42,14.12 23.6,14.3 23.6,14.7 24,15.1 24,17.23 24.34,17.58 24.67,17.58 25.3,18.2 25.3,25.2 v3(24.8,25.7)
  BOTTOM w0.093: R112.2 24.17,28.58 24,28.4 v1(23.7,28.4)
CSPI3_CLK_R: length 7.6
  TOP w0.093: v1(25.7,30.4) 26,30.71 26.62,30.71 27,30.33 28.07,30.33 28.5,29.9 28.5,28.6 28.3,28.4 27.7,28.4 U1.P24
  BOTTOM w0.093: v1(25.7,30.4) 25.17,29.88 R112.1
CSPI3_CS2: length 28
  TOP w0.093: v2(26.1,26) 26.1,28.9 26.4,29.2 27.7,29.2 U1.R25 ; v2(25.41,8.87) 25.19,9.09 23.35,9.09 23.15,8.89 23.15,8.45 23,8.31 U10.1
  L2 w0.1: v2(25.41,8.87) v3(25.81,8.87) ; v2(26.1,26) v3(26.4,25.7)